# KiCad board Djinn.kicad_pcb (continued)
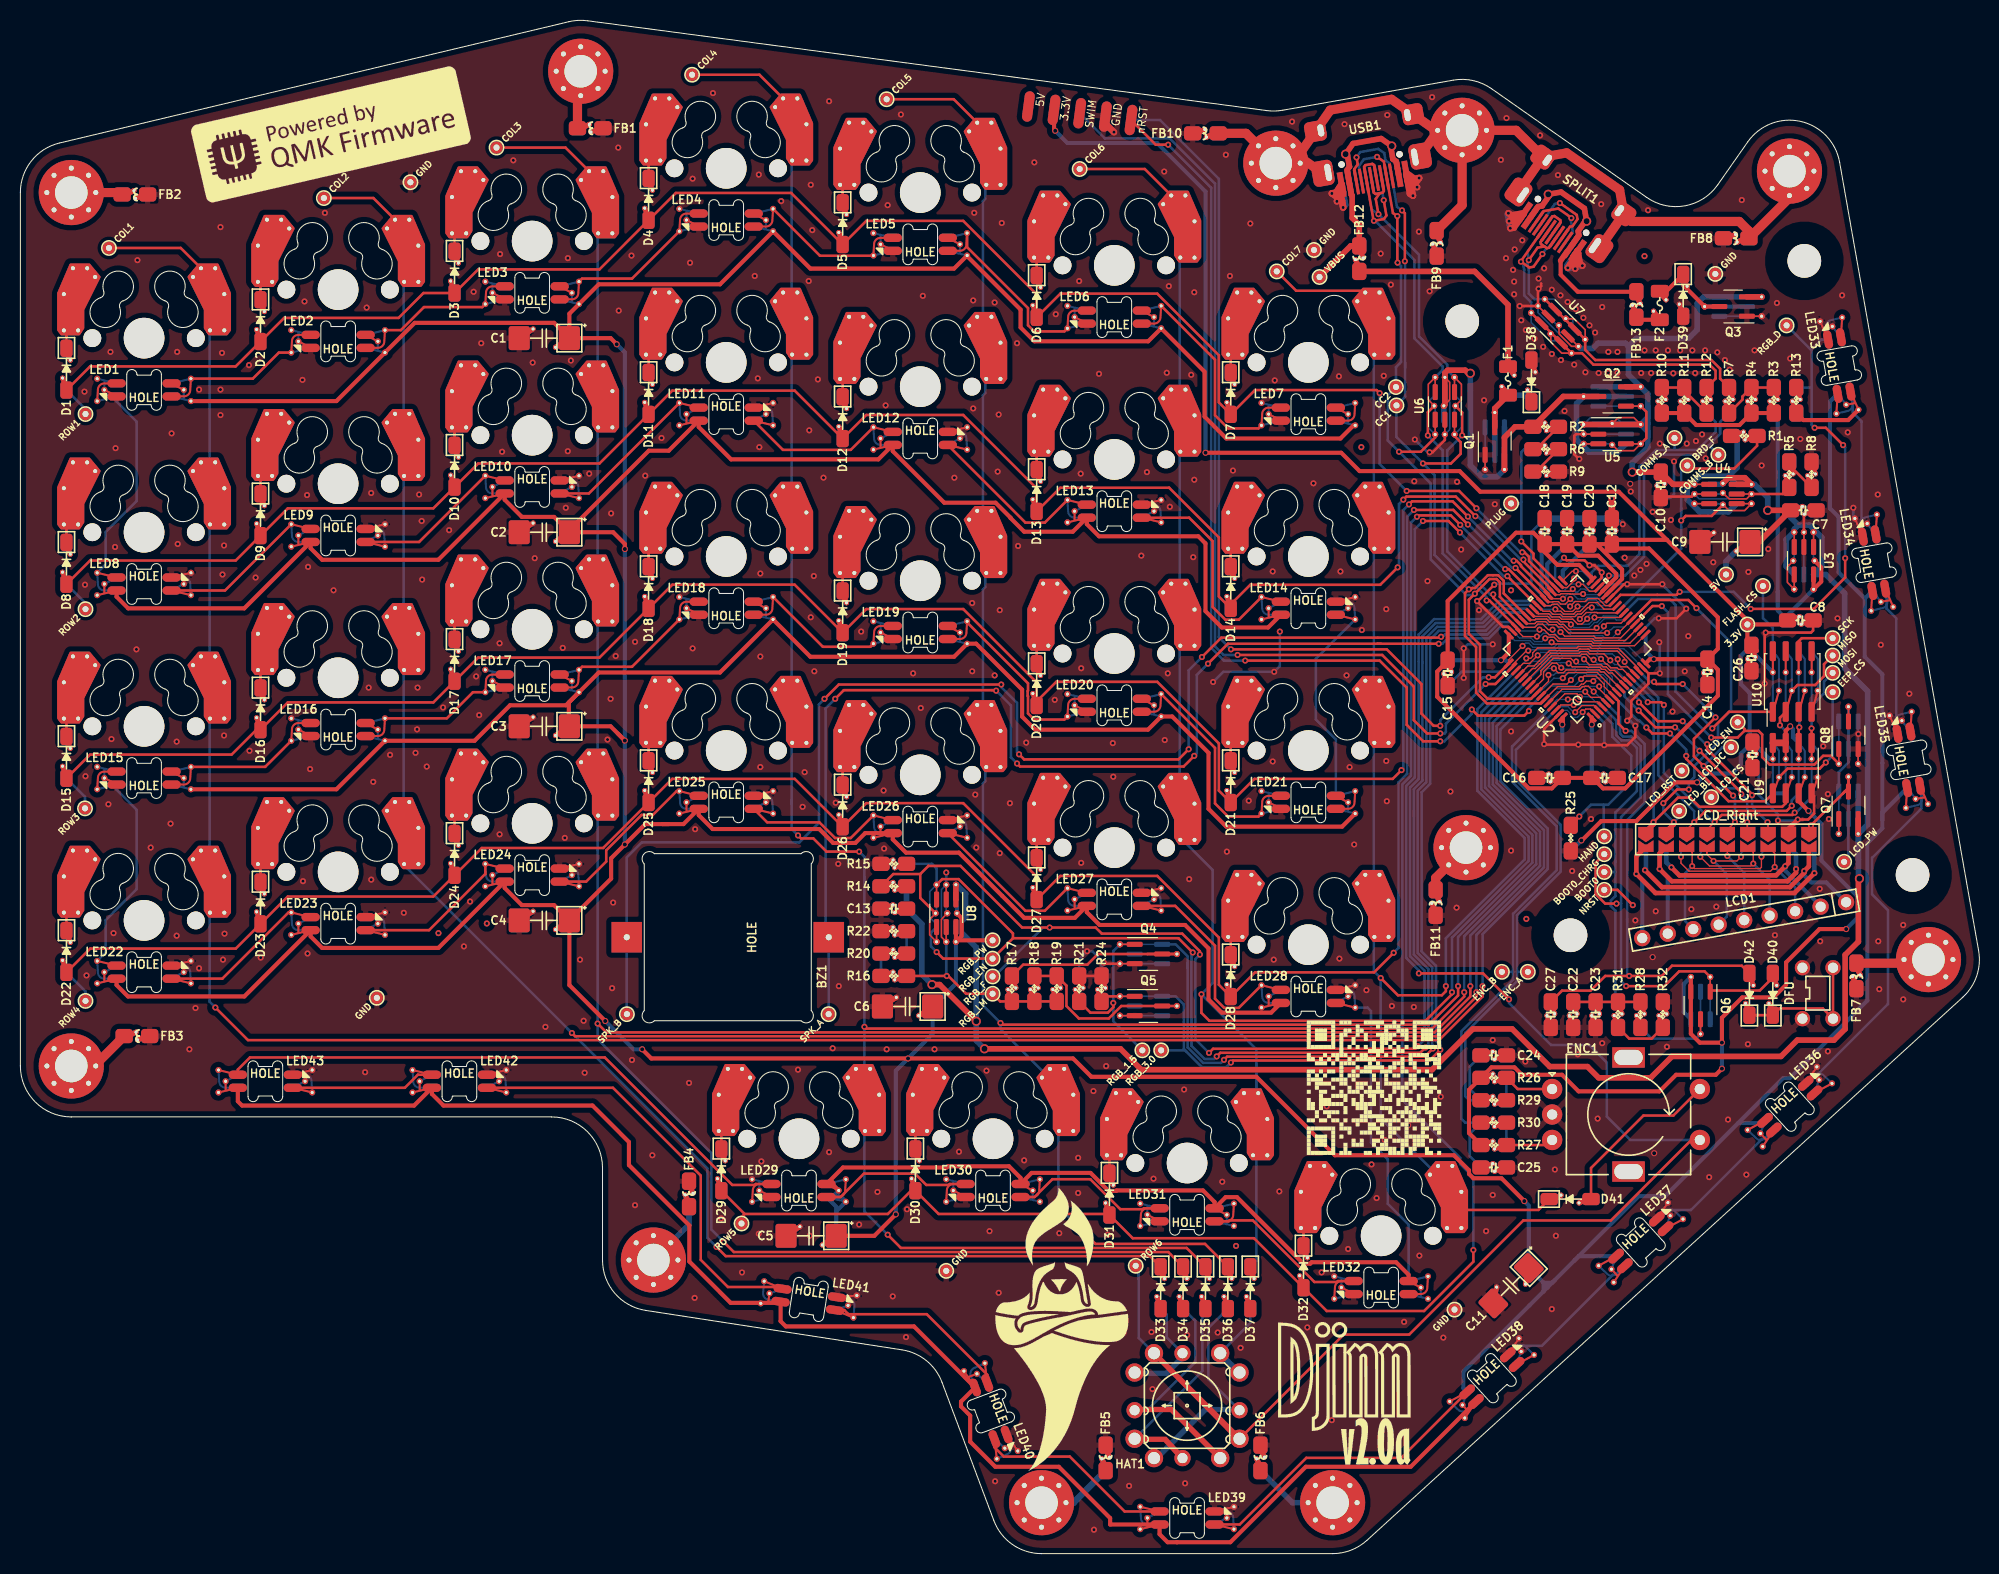
[diagram p0: board, top side]
## Routing (per net, layer and track width the routed paths; a pad name or vN(x,y) marks a point on that pad's centre or on a via; arc(x,y) is an arc through that point) (continued)
  Bottom w0.127: v1(152.53,95.71) 153.09,95.71 153.45,95.35 153.45,95.19 153.83,94.82 154.27,94.82 U1.34
  Bottom w0.25: 147.34,103.2 v1(147.34,99.35) ; 147.34,103.2 147.22,103.07 TP45.1 ; 147.34,103.2 147.34,108.1 147.64,108.4 148.49,108.4
ROT_A: length 7.1
  Top w0.25: ENC1.A 146.99,45.6 R26.2
  Bottom w0.25: R29.2 R26.2
ROT_B: length 6.9
  Top w0.25: R27.2 149.88,40.1 150.38,40.6
  Bottom w0.25: R27.2 R30.2
ROW1: length 192.5
  Top w0.127: v1(152.4,94.67) 152.19,94.47 151.05,94.47 U2.35
  Top w0.25: U2.35 148.11,97.41 148.11,97.83 147.65,98.28 v1(147.45,98.28) ; D1.2 6.84,116.52 21.13,116.52 D2.2 25.89,121.29 37.13,121.29 39.57,123.73 D3.2 44.94,126.05 56.85,126.05 D4.2 64.35,133.55 75.66,133.55 D5.2 83.04,130.81 92.56,130.81 99.77,123.59 D6.2 102.09,123.67 111.61,123.67 117.66,117.62 117.66,112.99 D7.2 121.2,114.2 133.14,114.2 v1(133.44,113.9) ; v1(142.94,102.6) 141.24,104.3 v1(136.09,104.3)
  Bottom w0.127: U1.35 154.61,94.46 153.97,94.46 153.86,94.57 153.72,94.57 153.61,94.68 153.18,94.68 152.87,94.37 152.7,94.37 v1(152.4,94.67)
  Bottom w0.25: v1(142.94,102.6) 147.26,98.28 v1(147.45,98.28) ; D1.2 6.39,112.33 TP23.1 ; v1(136.09,104.3) 133.44,106.95 v1(133.44,113.9)
ROW2: length 191.6
  Top w0.127: v1(153.41,94.19) 153.41,94.18 152.15,94.18 152.12,94.21 151.25,94.21 151.15,94.11 150.7,94.11 U2.36
  Top w0.25: D8.2 6.84,97.47 21.13,97.47 D9.2 26.25,102.59 40.54,102.59 44.94,107 56.85,107 63.99,114.14 76.02,114.14 D12.2 83.04,111.76 92.56,111.76 99.77,104.54 99.77,102.3 102.09,104.62 112.78,104.62 117.66,99.74 117.66,93.94 D14.2 ; D14.2 120.74,95.09 133.5,95.09 v1(135.21,96.8) ; v1(142.85,101.82) 140.92,103.75 136.07,103.75 v1(135.77,103.45) ; v1(147.56,97.56) 147.56,97.38 150.36,94.57 U2.36
  Bottom w0.127: v1(153.41,94.19) 153.48,94.11 154.98,94.11 U1.36
  Bottom w0.25: v1(135.77,103.45) 135.34,103.02 135.34,96.93 v1(135.21,96.8) ; v1(147.56,97.56) 147.3,97.56 143.04,101.82 v1(142.85,101.82) ; TP25.1 6.39,93.28 D8.2
ROW3: length 211.4
  Top w0.127: U2.37 150.01,93.88 150.18,93.72 v1(151.44,93.72)
  Top w0.25: v1(136.32,102.98) 136.62,103.28 140.61,103.28 v1(142.11,101.78) ; 23.57,80.86 26.25,83.54 40.54,83.54 D17.2 44.94,87.95 56.85,87.95 D18.2 64,95.1 76.01,95.1 D19.2 83.05,92.71 92.56,92.71 99.77,85.49 D20.2 ; v1(146.6,97.45) 146.89,97.45 147.32,97.02 147.32,96.92 150.01,94.23 U2.37 ; D15.2 6.84,78.42 20.73,78.42 23.57,81.26 ; v1(135.59,76.9) 134.73,76.04 121.14,76.04 D21.2 117.66,74.89 117.66,79.52 111.61,85.57 101.69,85.57 99.77,83.65
  Bottom w0.127: v1(151.44,93.72) 151.9,94.18 152.4,94.18 152.88,93.71 153.21,93.71 153.22,93.69 153.61,93.69 153.78,93.86 154.79,93.86 154.89,93.76 155.33,93.76 U1.37
  Bottom w0.25: TP27.1 6.34,74.28 D15.2 ; v1(146.6,97.45) 146.44,97.45 v1(142.11,101.78) ; v1(136.32,102.98) 135.76,102.42 135.76,77.07 v1(135.59,76.9)
ROW4: length 228.3
  Top w0.127: v1(152.16,93.69) 151.67,93.2 151.23,93.2 150.99,93.44 150.47,93.44 150.44,93.41 149.99,93.41 U2.38
  Top w0.25: U2.38 149.66,93.86 v1(146.78,96.74) ; 4.52,57.05 6.85,59.38 21.14,59.38 D23.2 26.25,64.49 40.54,64.49 D24.2 45.3,69.26 57.21,69.26 D25.2 63.99,76.04 76.02,76.04 D26.2 83.04,73.66 92.56,73.66 99.77,66.44 99.77,64.19 102.09,66.52 111.61,66.52 117.66,60.47 117.66,55.84 D28.2 121.21,57.05 132.9,57.05 v1(134.82,58.97) ; v1(136.81,102.44) 140.67,102.44 v1(142.1,101)
  Bottom w0.127: v1(152.16,93.69) 152.4,93.45 153.11,93.45 153.12,93.44 153.72,93.44 153.88,93.61 154.68,93.61 154.88,93.41 155.69,93.41 U1.38
  Bottom w0.25: v1(136.81,102.44) 136.14,101.77 136.14,76.55 135.29,75.7 135.29,59.45 v1(134.82,58.97) ; D22.2 6.39,55.18 TP29.1 ; v1(146.78,96.74) 146.44,96.74 142.18,101 v1(142.1,101)
ROW5: length 184.6
  Top w0.127: v1(152.87,92.96) 152.39,92.48 151.62,92.48 151.34,92.76 151.31,92.76 150.89,93.18 150.57,93.18 150.54,93.15 150.35,93.15 150.24,93.05 149.65,93.05 U2.39
  Top w0.25: 71.1,33.34 70.79,33.03 70.79,32.1 ; 71.1,33.34 85.16,33.34 87.45,35.62 D30.2 90.15,33.34 106.82,33.34 D31.2 109.2,30.95 121.11,30.95 D32.2 128.25,23.81 137.8,23.81 142.64,28.65 v1(142.64,29.8) ; 71.1,33.34 D29.2 ; U2.39 149.3,93.44 146.11,96.63 v1(145.77,96.63) ; v1(141.35,100.97) 140.42,101.9 137.23,101.9 v1(137.1,101.77)
  Bottom w0.127: v1(152.87,92.96) 153.6,92.96 153.99,93.35 154.58,93.35 154.89,93.04 156.03,93.04 U1.39
  Bottom w0.25: v1(141.35,100.97) 145.69,96.63 v1(145.77,96.63) ; v1(142.64,29.8) 142.64,36.95 141.34,38.25 141.34,38.85 135.67,44.52 135.67,75.5 136.52,76.35 136.52,101.19 v1(137.1,101.77)
ROW6: length 174.5
  Top w0.127: U2.40 149.49,92.5 150.15,92.5 150.46,92.19 151.18,92.19 151.41,91.97 152.61,91.97 152.86,92.22 153.22,92.22 153.86,92.86 v1(154.26,92.86)
  Top w0.25: v1(145.98,95.94) 148.89,93.03 U2.40 ; v1(141.32,100.22) 140.2,101.35 v1(137.69,101.35) ; v1(137.29,56.95) 143.59,56.95 v1(146.14,54.4) ; HAT1.4 129.91,21.5 136.34,21.5 147.54,32.7 156.14,32.7 164.04,40.6 ENC1.S1
  Bottom w0.127: v1(154.26,92.86) 154.43,92.7 156.39,92.7 U1.40
  Bottom w0.25: v1(137.29,56.95) 137.29,57.23 136.05,58.48 136.05,75.34 136.89,76.19 136.89,100.55 v1(137.69,101.35) ; 109.79,26.95 109.79,28 ; 109.79,26.95 109.79,21.17 HAT1.4 ; 109.79,26.95 109.79,27.95 TP32.1 ; v1(146.14,54.4) 146.14,54.05 150.27,49.92 154.02,49.92 155.74,48.2 155.74,42.9 158.04,40.6 ENC1.S1 ; v1(145.98,95.94) 145.61,95.94 v1(141.32,100.22)
SCK: length 52.9
  Top w0.127: U2.52 147.99,87.12 148.61,87.12 150.11,88.63 152.91,88.63 153.06,88.78 153.95,88.78 154.13,88.6 156.76,88.6 157.49,87.87 v1(157.49,87.53) ; 163.57,70.83 163.57,71.04 v1(164.32,71.79) 164.35,71.79 ; 163.58,71.28 J3.5
  Top w0.25: U9.6 174.58,81.04 v1(174.64,81.1) ; v1(164.32,71.79) 165.43,72.9 173.4,72.9 v1(173.9,73.4) ; TP2.1 174.88,89.85 174.58,89.55 U10.6
  Bottom w0.127: v1(157.49,87.53) 157.49,87.32 U1.52 ; 163.57,70.83 163.57,71.04 v1(164.32,71.79)
  Bottom w0.25: v1(173.9,73.4) 173.9,73.95 U9.6 ; U1.52 160.79,84.02 160.79,76.4 164.32,72.87 v1(164.32,71.79) ; U10.6 174.64,82.56 v1(174.64,81.1)
SHIELD: length 100.5
  Top w0.9: 123.24,136.47 125.19,136.82 USB1.S1 128.6,141.68 134.61,142.74 USB1.S1 139.47,139.33 141.54,139.7 ; 123.24,136.47 125.8,136.92 USB1.S1 ; 123.24,136.47 120.32,139.4 FB10.1 ; 141.54,139.7 138.86,139.23 USB1.S1 ; 141.54,139.7 141.54,132.34 FB9.1 ; 141.54,139.7 146.84,139.7 SPLIT1.S1 ; SPLIT1.S1 151.81,137.48 157,133.84 SPLIT1.S1 ; SPLIT1.S1 SPLIT1.S1 ; SPLIT1.S1 SPLIT1.S1 ; SPLIT1.S1 158.17,130.75 168.74,130.75 169.69,129.8 FB8.1 173.68,133.08 DRILL8.1
SK6812_EN: length 141.7
  Top w0.127: v1(153.09,91.73) 153.73,92.37 154.5,92.37 154.5,92.37 154.77,92.37 154.8,92.34 156.74,92.34 U2.24 157.1,92.68
  Top w0.25: 97.44,60.4 97.44,60.87 92.11,66.2 90.5,66.2 U8.3 ; 97.44,60.4 113.69,60.4 v1(115.09,59) ; 97.44,60.4 TP20.1 90.59,58.4 v1(89.95,59.04) ; v1(137.95,49.68) 137.42,49.15 117.8,49.15 v1(117.44,48.8)
  Bottom w0.127: U1.24 149.07,92.21 150.44,92.21 150.46,92.19 152.62,92.19 v1(153.09,91.73)
  Bottom w0.25: v1(115.09,59) 114.97,58.88 114.97,49.84 116.26,48.55 117.19,48.55 v1(117.44,48.8) ; U1.24 148.15,93.13 145.34,93.13 143.55,91.34 138.94,91.34 137.65,90.05 137.65,87.5 137.65,75.88 136.8,75.03 136.8,72.41 ; U8.3 89.94,67.25 89.49,67.7 R15.1 ; 136.8,72.41 136.8,58.79 138.22,57.37 138.22,49.96 v1(137.95,49.68) ; 136.8,72.41 136.8,72.9 ; v1(89.95,59.04) 89.39,59.6 89.39,60.95 U8.3
SK6812_MTRX_IN: length 58.6
  Top w0.25: LED29.4 72.19,36.28 72.1,36.19 69.88,36.19 57.37,48.7 22.54,48.7 21.35,47.51 LED43.2
SK6812_NFAULT: length 142.3
  Top w0.127: 156.39,92.7 155.48,92.7 154.83,93.35 153.99,93.35 153.11,92.47 152.74,92.47 152.49,92.22 151.51,92.22 151.23,92.5 150.88,92.5 v1(150.69,92.68)
  Top w0.25: 88.34,66.7 85.69,66.7 R14.2 ; 88.34,66.7 88.34,64.35 U8.4 ; 88.34,66.7 89.14,67.5 92.29,67.5 98.34,61.45 v1(101.04,61.45) 105.57,61.45 106.17,60.85 114.06,60.85 115.79,59.12 v1(115.79,58.8) ; v1(137.19,49.8) 136.94,49.55 117.09,49.55 v1(116.69,49.15)
  Bottom w0.127: v1(150.69,92.68) 149.3,92.68 U1.25
  Bottom w0.25: v1(116.69,49.15) 115.35,50.5 115.35,58.35 v1(115.79,58.8) ; v1(101.04,61.45) 100.39,61.45 95.64,56.7 ; v1(137.19,49.8) 137.85,50.45 137.85,57.21 136.42,58.64 136.42,75.19 137.27,76.03 137.27,87.55 137.27,90.2 138.79,91.72 143.4,91.72 145.18,93.5 148.48,93.5 U1.25
SK6812_PWM: length 64.7
  Top w0.127: U2.26 156.03,93.05 155.6,93.05 154.91,93.73 153.9,93.73 153.62,93.45 152.63,93.45 v1(152.15,92.97)
  Top w0.25: v1(162.89,94.4) 162.59,94.1 157.09,94.1 156.38,93.39 U2.26 ; v1(176.14,110.5) 177.24,110.5 v1(178.94,108.8) ; v1(179.14,97.7) 179.14,95.8 176.07,92.72 v1(169.87,92.72)
  Bottom w0.127: U1.26 149.71,92.98 150.18,92.98 150.4,93.19 151.92,93.19 v1(152.15,92.97)
  Bottom w0.25: 175.84,114.4 175.84,110.8 v1(176.14,110.5) ; 175.84,114.4 175.79,114.45 R13.2 ; 175.84,114.4 175.84,118.2 ; v1(178.94,108.8) 179.14,108.6 v1(179.14,97.7) ; 175.84,118.2 175.74,118.2 TP22.1 ; 175.84,118.2 176.8,119.15 LED33.4 ; v1(169.87,92.72) 168.19,94.4 v1(162.89,94.4)
SK6812_PWR: length 1176.8
  Top w0.4: 63.04,71.6 61.34,71.6 v2(59.34,69.6) 58,68.25 58,66.25 C4.1 ; 63.04,71.6 65.09,71.6 LED25.1 66.59,72.49 67.96,71.12 78.43,71.12 79.79,69.75 81.97,69.75 82.93,70.72 LED26.1 85.64,70.1 86.95,68.8 92.14,68.8 98.54,62.4 103.52,62.4 LED27.1 104.69,62.96 105.95,61.7 114.34,61.7 116.64,59.4 116.64,54.4 117.94,53.1 122.79,53.1 LED28.1 ; 63.04,71.6 63.65,71.6 ; C2.1 53.9,100.45 61.69,108.25 63.64,108.25 LED11.1 66.59,110.59 69.78,107.4 84.23,107.4 LED12.1 85.64,108.2 90.7,103.15 95.74,103.15 97.21,101.68 97.21,101.64 98.54,100.3 103.32,100.3 LED13.1 104.69,101.05 105.89,99.85 115.64,99.85 116.34,99.15 116.34,92.5 117.94,90.9 122.49,90.9 123.74,92.15 ; C2.1 52.4,101.75 49.23,101.75 47.54,103.44 47.54,104.05 41.03,97.54 29.63,97.54 28.49,98.68 LED9.1 21.98,92.78 10.58,92.78 9.44,93.92 LED8.1 ; C2.1 58.19,100.25 59.34,99.1 v2(59.34,98.6) ; TP18.1 91.99,60.2 U8.6 ; LED43.1 21.35,44.39 21.77,43.98 38.66,43.98 LED42.1 40.4,45.12 41.54,43.98 56.17,43.98 59.74,40.4 59.74,38.14 65.68,32.21 65.68,28.67 69.73,24.61 74.52,24.61 LED41.1 74.63,22.81 75.14,22.3 87.73,22.3 LED40.1 92.34,14.92 92.34,14.45 93.24,13.55 93.24,10.99 95.71,8.53 101.94,8.53 106.98,3.49 106.98,2.86 LED39.1 111.84,1.91 112.63,1.12 113.56,1.12 ; C4.1 52.4,63.65 49.23,63.65 47.54,65.34 LED24.1 41.04,59.45 29.62,59.45 28.49,60.58 LED23.1 21.99,54.69 10.56,54.69 9.44,55.81 LED22.1 ; C4.1 53.9,55.8 v2(57.42,52.27) ; v2(85.94,33.3) 83.84,31.19 C5.1 ; U8.6 92.39,60.6 92.39,62.4 U8.6 ; U8.6 U8.6 ; 113.56,1.12 118.78,1.12 126.19,8.53 136.5,8.53 LED38.1 ; 113.56,1.12 113.54,1.14 ; v2(58.54,118.7) 57.94,119.3 C1.1 ; C1.1 53.9,121.7 LED3.1 56.78,124.58 68.69,124.58 73.89,129.79 77.56,126.12 91.66,126.12 LED5.1 92.94,127.35 98.19,122.1 98.19,120.35 99.56,118.99 110.72,118.99 LED6.1 116.26,116 116.26,111.59 118.39,109.45 129.59,109.45 130.88,110.74 131.04,110.74 ; C1.1 52.4,120.8 38.71,120.8 LED2.1 31.03,113.12 LED1.1 ; 58.64,80.5 v2(59.34,79.8) 57.94,81.2 C3.1 53.84,81.25 53.84,83.54 54.84,84.55 ; 54.84,84.55 53.56,83.26 48.07,83.26 44.59,79.78 LED16.1 31.03,75.02 LED15.1 ; 54.84,84.55 56.78,86.48 68.69,86.48 LED18.1 77.56,88.02 91.66,88.02 LED19.1 93.84,89.31 98.34,84.8 98.34,82.15 99.62,80.87 110.7,80.87 LED20.1 113.08,82.16 116.64,78.6 116.64,73.1 118.39,71.36 129.76,71.36 LED21.1 ; v2(147.64,34.6) 145.4,36.84 142.64,36.84 142.22,37.27 142.22,37.62 140.74,39.1 129.04,39.1 121.34,46.8 105.14,46.8 103.34,48.6 v2(87.14,48.6) 61.94,48.6 v2(61.04,49.5) ; LED33.1 179.44,111.26 175.03,111.26 174.34,111.95 ; LED29.1 79.7,36.28 LED29.1 80.76,37.9 90.94,37.9 91.06,38.02 97.06,38.02 98.19,36.88 LED30.1 99.27,37.37 105.06,37.37 106.83,35.6 107.58,35.6 107.62,35.65 116.1,35.65 117.24,34.51 LED31.1 118.32,34.98 119.44,34.98 125.96,28.46 126.63,28.46 126.77,28.6 135.06,28.6 136.29,27.37 LED32.1
  Bottom w0.4: 79.14,35 79.7,35 LED29.1 ; 79.14,35 80.58,35 81.04,34.54 80.09,33.59 80.09,33.45 ; 79.14,35 80.09,34.05 80.09,33.45 ; v2(57.42,52.27) 60.19,49.5 v2(61.04,49.5) ; LED36.1 171.01,42.26 168.64,42.26 ; 149.52,25.72 141.67,17.87 141.67,16.24 LED38.1 ; 149.52,25.72 149.92,26.12 ; 149.52,25.72 149.54,25.74 149.54,26.59 ; 149.54,26.59 150.39,26.59 150.62,26.82 ; 149.54,26.59 149.92,26.21 149.92,26.12 ; 149.54,26.59 C11.1 148.09,34.16 v2(147.64,34.6) ; 185.07,75.3 LED35.1 182.79,72.71 182.79,72 ; 150.62,26.82 149.92,26.12 ; 150.62,26.82 152.57,28.77 ; 182.79,72 182.79,78.72 ; 182.79,72 182.79,71.2 181.32,69.73 181.32,54.28 173.71,46.67 173.05,46.67 168.64,42.26 ; 168.64,42.26 161.47,35.08 158.88,35.08 152.57,28.77 ; 80.09,33.45 C5.1 ; 152.57,28.77 152.99,29.2 LED37.1 ; 182.79,78.72 182.79,86.3 181.06,88.03 181.06,93.74 ; 182.79,78.72 182.79,79.4 ; U8.6 91.84,55.95 89.59,53.7 C6.1 89.56,51.01 v2(87.14,48.6) 85.94,47.4 v2(85.94,33.3) ; v2(59.34,69.6) v2(59.34,79.8) v2(59.34,98.6) 59.34,117.9 v2(58.54,118.7) ; 181.06,93.74 178.49,96.31 178.49,101.75 177.65,102.59 177.65,113.09 LED33.1 ; 181.06,93.74 LED34.1 ; U8.6 91.94,64.1 U8.6
SPLIT_COMMS+: length 36.1
  Top w0.127: U2.33 152.33,96.42 v1(152.71,96.42)
  Top w0.25: R11.2 R10.2 ; R12.1 163.44,114.05 R11.2
  Bottom w0.127: v1(152.71,96.42) 153.35,96.42 U1.33
  Bottom w0.25: 165.03,108.71 166.42,110.09 166.42,111.07 R12.1 ; 165.03,108.71 165.12,108.79 ; 165.03,108.71 164.65,108.33 162.44,108.33 ; TP14.1 162.39,108.38 162.44,108.33 ; 162.44,108.33 160.57,108.33 158.94,106.7 158.94,98.1 157.8,96.95 157.66,96.95 157.66,96.95 157.13,96.95 157.12,96.95 154.9,96.95 154.25,96.31 U1.33
SPLIT_COMMS-: length 38.7
  Top w0.127: U2.30 154.62,94.46 154.06,94.46 153.39,95.13 v1(152.96,95.13)
  Top w0.25: R7.1 169.06,113.27 169.06,113.57 169.94,114.45 172.14,114.45 ; v1(155.95,95.99) 155.95,95.79 U2.30
  Bottom w0.127: v1(152.96,95.13) 152.93,95.17 152.2,95.17 151.5,94.47 151.05,94.47 U1.30
  Bottom w0.25: R7.1 166.87,111.07 166.87,110.58 ; v1(155.95,95.99) 157.54,95.99 159.39,97.85 159.39,106.5 160.77,107.88 164.84,107.88 165.35,108.39 ; 166.87,110.01 166.87,110.58 ; 166.87,110.58 166.87,109.91 165.7,108.74 ; 165.35,108.39 165.57,108.61 ; 165.35,108.39 165.7,108.74 ; 165.7,108.74 165.8,108.74 TP16.1
SPLIT_HAND_PIN: length 25.6
  Top w0.127: v1(152.49,83.29) 151.23,83.29 U2.62
  Top w0.25: 152.28,71.59 v1(153.04,72.35) ; R25.2 152.21,71.11
  Bottom w0.127: v1(152.49,83.29) 154.45,83.29 U1.62 154.96,82.72
  Bottom w0.25: TP43.1 155.44,70.45 155.44,73.5 ; 155.44,73.5 155.87,73.5 158.14,75.78 158.14,78.32 156.29,80.17 156.29,81.45 U1.62 ; 155.44,73.5 154.19,73.5 v1(153.04,72.35) 152.28,71.59 ; R25.2 152.21,71.11
SWCLK: length 114
  Top w0.127: U2.50 146.48,87.24 147.86,88.62 v1(148.03,88.62)
  Top w0.25: v1(139.39,80.5) 138.1,80.5 136.79,81.8 136.79,85.1 133.69,88.2 v1(119.49,88.2) ; U2.50 144.8,85.35 v1(143.84,85.35)
  Bottom w0.127: U1.50 157.41,88.82 155.16,88.82 154.92,89.07 151.03,89.07 150.67,88.71 148.11,88.71 v1(148.03,88.62)
  Bottom w0.25: v1(139.39,80.5) 139.82,80.5 139.95,80.63 139.95,81.45 v1(143.84,85.35) ; v1(119.49,88.2) 118.12,88.2 117.28,89.05 117.28,134.46 112.84,138.9 106.47,138.9 J1.6
SWDIO: length 108.2
  Top w0.127: U2.49 146.12,87.74 v1(147.47,89.09)
  Top w0.25: v1(144.15,86.01) 144.75,86.01 U2.49 ; v1(139.39,81.25) 138.74,81.25 137.54,82.45 137.54,85.35 134.14,88.75 v1(118.84,88.75)
  Bottom w0.127: U1.49 157.86,89.07 155.27,89.07 155.02,89.32 150.92,89.32 150.56,88.96 148.49,88.96 148.08,89.36 147.74,89.36 v1(147.47,89.09)
  Bottom w0.25: J1.2 111.88,140.71 117.66,134.94 117.66,89.94 v1(118.84,88.75) ; v1(144.15,86.01) 143.59,86.01 139.39,81.82 v1(139.39,81.25)
V_USB: length 29.1
  Top w0.55: USB1.A4 135.07,136.64 134.74,136.88 134.54,138.02 v3(134.63,138.16) 133.59,138.89 130.83,138.4 v3(130.1,137.36) 130.29,137.23 130.48,136.12 130.25,135.79 USB1.A4 ; 130.49,134.43 130.68,133.32 130.74,133.26 130.74,131.1 131.44,130.4 FB12.2 130.59,128.35 TP1.1
  Bottom w0.55: v3(130.1,137.36) 130.29,137.23 130.48,136.12 130.25,135.79 USB1.A4 ; v3(134.63,138.16) 134.54,138.02 134.74,136.88 135.07,136.64 USB1.A4
Net-(D1-Pad1): length 6.9
  Top w0.25: D1.1 4.52,123.25 SW1.1
Net-(D2-Pad1): length 6.5
  Top w0.25: SW2.1 23.57,128.01 D2.1
Net-(D3-Pad1): length 6.5
  Top w0.25: D3.1 42.62,132.77 SW3.1
Net-(D4-Pad1): length 6.5
  Top w0.25: D4.1 61.67,139.92 SW4.1
Net-(D5-Pad1): length 6.5
  Top w0.25: SW5.1 80.72,137.53 80.72,132.59
Net-(D6-Pad1): length 6.5
  Top w0.25: SW6.1 99.77,130.39 D6.1
Net-(D7-Pad1): length 6.5
  Top w0.25: SW7.1 118.82,120.87 D7.1
Net-(D8-Pad1): length 6.5
  Top w0.25: D8.1 4.52,104.2 SW8.1
Net-(D9-Pad1): length 6.5
  Top w0.25: SW9.1 23.57,108.96 23.57,104.01
Net-(D10-Pad1): length 6.5
  Top w0.25: D10.1 42.62,113.72 SW10.1
Net-(D11-Pad1): length 6.5
  Top w0.25: SW11.1 61.67,120.87 D11.1
Net-(D12-Pad1): length 6.5
  Top w0.25: SW12.1 80.72,118.48 D12.1
Net-(D13-Pad1): length 6.6
  Top w0.25: D13.1 99.77,111.24 SW13.1
Net-(D14-Pad1): length 6.5
  Top w0.25: D14.1 118.82,101.82 SW14.1
Net-(D15-Pad1): length 6.5
  Top w0.25: SW15.1 4.52,85.15 D15.1
Net-(D16-Pad1): length 6.5
  Top w0.25: SW16.1 23.57,89.91 D16.1
Net-(D17-Pad1): length 6.5
  Top w0.25: D17.1 42.62,94.67 SW17.1
Net-(D18-Pad1): length 6.5
  Top w0.25: SW18.1 61.67,101.82 D18.1
Net-(D19-Pad1): length 6.5
  Top w0.25: SW19.1 80.72,99.43 D19.1
Net-(D20-Pad1): length 6.5
  Top w0.25: SW20.1 99.77,92.29 D20.1
Net-(D21-Pad1): length 6.5
  Top w0.25: D21.1 118.82,82.77 SW21.1
Net-(D22-Pad1): length 6.5
  Top w0.25: D22.1 4.52,66.1 SW22.1
Net-(D23-Pad1): length 6.6
  Top w0.25: SW23.1 23.57,70.76 D23.1
Net-(D24-Pad1): length 6.5
  Top w0.25: SW24.1 42.62,75.62 D24.1
Net-(D25-Pad1): length 6.5
  Top w0.25: SW25.1 61.67,82.77 D25.1
Net-(D26-Pad1): length 6.5
  Top w0.25: SW26.1 80.72,80.38 D26.1
Net-(D27-Pad1): length 6.5
  Top w0.25: SW27.1 99.77,73.24 D27.1
Net-(D28-Pad1): length 6.5
  Top w0.25: D28.1 118.82,63.72 SW28.1
Net-(D29-Pad1): length 6.5
  Top w0.25: SW29.1 68.82,44.67 D29.1
Net-(D30-Pad1): length 6.5
  Top w0.25: D30.1 87.87,44.67 SW30.1
Net-(D31-Pad1): length 6.5
  Top w0.25: D31.1 106.92,42.28 SW31.1
Net-(D32-Pad1): length 6.5
  Top w0.25: SW32.1 125.97,35.14 D32.1
Net-(D33-Pad2): length 5.3
  Bottom w0.25: HAT1.1 112.54,21.22 112.54,23.45 D33.2
Net-(D34-Pad2): length 13.7
  Bottom w0.25: HAT1.2 110.62,14.08 115.34,18.8 115.34,22.85 D34.2
Net-(D35-Pad2): length 15.7
  Bottom w0.25: D35.2 116.04,23.75 116.04,17.93 HAT1.3
Net-(D36-Pad2): length 12
  Bottom w0.25: D36.2 116.64,22.14 116.64,17.13 119.69,14.08
Net-(D37-Pad2): length 5.6
  Bottom w0.25: D37.2 120.74,22.63 HAT1.6
Net-(D40-Pad1): length 13.9
  Top w0.25: RESET1.2 RESET1.2 176.95,53.51 172.7,53.51 172.04,52.85 169.74,52.85
Net-(D41-Pad2): length 16.9
  Top w0.25: ENC1.S2 162.28,43 159.34,43 154.19,37.85 D41.2
Net-(LED1-Pad2): length 10.9
  Top w0.25: LED2.4 25.38,117.88 22.81,115.32 LED1.2
Net-(LED1-Pad4): length 19.7
  Bottom w0.25: LED8.2 8.36,97.09 8.36,100.26 11.41,103.3 11.41,111.11 9.44,113.07 LED1.4
Net-(LED2-Pad2): length 10.9
  Top w0.25: LED2.2 37.35,120.08 39.62,122.35 45.34,122.35 45.64,122.65
Net-(LED3-Pad2): length 11.9
  Top w0.25: 64.69,129.79 60.05,125.14 55.14,125.14 LED3.2
Net-(LED4-Pad2): length 11.8
  Top w0.25: 73.89,131.99 78.5,127.39 83.72,127.39 LED5.4
Net-(LED5-Pad2): length 15.8
  Top w0.25: LED6.4 102.49,119.96 99.52,119.96 98.92,120.57 98.92,122.25 92.94,128.22 LED5.2
Net-(LED6-Pad2): length 18.1
  Top w0.25: LED7.4 121.54,110.44 118.57,110.44 117.28,111.73 117.28,117.18 LED6.2
Net-(LED8-Pad4): length 14.4
  Top w0.25: LED9.2 20.09,94.53 LED8.4
Net-(LED10-Pad2): length 14.4
  Top w0.25: LED9.4 39.14,99.29 LED10.2
Net-(LED10-Pad4): length 15.4
  Top w0.25: 52.94,104.05 55.81,104.05 LED11.2
Net-(LED11-Pad4): length 13.9
  Top w0.25: LED11.4 74.86,108.34 81.52,108.34 LED12.2
Net-(LED12-Pad4): length 15.8
  Top w0.25: LED12.4 98.67,101.19 100.57,101.19 LED13.2
Net-(LED13-Pad4): length 20.6
  Top w0.25: LED13.4 114.74,101.67 117.04,99.37 117.04,92.92 118.3,91.67 119.62,91.67 121.84,93.89
Net-(LED14-Pad4): length 19.7
  Bottom w0.25: LED14.4 127.18,87.83 127.18,81.88 129.14,79.91 LED21.2
Net-(LED15-Pad2): length 10.9
  Top w0.25: LED16.4 24.03,77.22 LED15.2
Net-(LED15-Pad4): length 19.7
  Bottom w0.25: LED15.4 9.44,74.97 11.41,73.01 11.41,65.21 8.36,62.17 8.36,58.99 LED22.2
Net-(LED16-Pad2): length 10.9
  Top w0.25: 35.79,81.98 41.86,81.98 44.43,84.55 45.64,84.55
Net-(LED17-Pad2): length 11.9
  Top w0.25: LED18.4 60.05,87.04 55.14,87.04 54.84,86.75
Net-(LED18-Pad2): length 12
  Top w0.25: 73.89,93.89 78.77,89.01 83.44,89.01 LED19.4
Net-(LED19-Pad2): length 15.8
  Top w0.25: LED20.4 102.49,81.86 99.52,81.86 98.92,82.47 98.92,84.15 98.89,84.19 98.89,84.67 98.92,84.7 98.92,85.42 92.94,91.4 LED19.2
Net-(LED20-Pad2): length 18.1
  Top w0.25: LED20.2 117.28,79.08 117.28,73.63 118.57,72.34 121.54,72.34 LED21.4
Net-(LED22-Pad4): length 14.4
  Top w0.25: LED23.2 26.32,62.93 19.82,56.43 LED22.4
Net-(LED23-Pad4): length 15
  Top w0.25: LED23.4 40.12,61.19 45.64,66.71 LED24.2
Net-(LED24-Pad4): length 16.1
  Top w0.25: 52.94,65.95 55.54,65.95 57.51,67.93 57.51,69.03 60.99,72.5 62.08,72.5 64.42,74.84 LED25.2
Net-(LED25-Pad4): length 13.9
  Top w0.25: LED25.4 73.32,71.77 78.44,71.77 79.98,70.24 81.52,70.24 LED26.2
Net-(LED26-Pad4): length 15.8
  Top w0.25: LED26.4 98.67,63.09 100.57,63.09 LED27.2
Net-(LED27-Pad4): length 19.9
  Top w0.25: LED28.2 119.62,53.57 118.18,53.57 117.28,54.46 117.28,59.66 113.37,63.57 LED27.4
Net-(LED28-Pad4): length 29.7
  Bottom w0.25: LED28.4 132.26,53.59 132.59,53.26 132.59,40.35 134.24,38.7 134.24,34.33 136.29,32.29 LED32.2
Net-(LED29-Pad2): length 15.1
  Top w0.25: LED29.2 80.51,35 82.82,37.3 87.82,37.3 88.93,36.19 91.15,36.19 91.24,36.28 LED30.4
Net-(LED30-Pad2): length 15.6
  Top w0.25: 98.19,35 99.56,35 101.32,36.75 105.03,36.75 107.98,33.8 110.2,33.8 110.29,33.9 111.84,33.9
Net-(LED31-Pad2): length 16.2
  Top w0.25: LED32.4 129.34,26.75 129.25,26.66 127.03,26.66 120.98,32.71 118.71,32.71 118.61,32.62 117.24,32.62
Net-(LED33-Pad2): length 14.8
  Bottom w0.25: LED34.4 180.75,99.94 180.75,111.15 179.89,112 179.89,113.83 LED33.2
Net-(LED34-Pad2): length 14.8
  Bottom w0.25: LED34.2 183.2,94.58 183.2,92.76 184.16,91.8 184.16,80.59 LED35.4
Net-(LED35-Pad2): length 35.4
  Bottom w0.25: LED36.4 176.16,47.05 176.45,47.05 183.34,53.94 183.34,63.15 181.79,64.7 181.79,68.29 186.62,73.12 186.62,75.24 LED35.2
Net-(LED36-Pad2): length 15.1
  Bottom w0.25: LED37.4 161.54,33.72 164,33.72 170.96,40.69 171.26,40.69 LED36.2
Net-(LED37-Pad2): length 15.1
  Bottom w0.25: LED37.2 156.63,27.37 156.34,27.37 149.37,20.4 146.91,20.4 LED38.4
Net-(LED38-Pad2): length 30.2
  Top w0.25: LED39.4 119.7,2.86 126.24,9.4 135.56,9.4 LED38.2
Net-(LED39-Pad2): length 19.6
  Top w0.25: LED40.4 95.62,10.44 96.54,9.53 103.02,9.53 108.4,4.14 LED39.2
Net-(LED40-Pad2): length 18.4
  Top w0.25: LED41.4 80.89,23.91 81.29,23.5 88.98,23.5 94.92,17.55 LED40.2
Net-(LED41-Pad2): length 42
  Top w0.25: LED42.4 58.17,45.72 66.79,37.1 66.79,28.84 69.46,26.17 74.65,26.17 LED41.2
Net-(LED42-Pad2): length 14.2
  Top w0.25: LED42.2 39.02,47 37.74,45.72 LED43.4
Net-(Q2-Pad1): length 4.2
  Top w0.25: Q2.1 159.62,112.07 159.62,109.48 U5.4
Net-(Q4-Pad3): length 19.9
  Top w0.25: 110.64,58.85 105.79,58.85 104.74,57.8 98.45,57.8 R17.2 ; 110.64,58.85 113.49,58.85 ; 110.64,58.85 Q4.3
Net-(Q5-Pad3): length 17.4
  Top w0.25: Q5.3 108.08,53.75 106.85,52.52 103.92,52.52 102.7,53.75 102.7,55.75 R19.2 R18.2
Net-(Q6-Pad3): length 6.5
  Bottom w0.25: Q6.3 164.49,50.55 160.15,50.55 R28.1
Net-(Q7-Pad1): length 8.7
  Bottom w0.25: 179.47,83.12 179.47,77.66 178.52,76.71 Q7.1
Net-(R5-Pad1): length 4
  Top w0.25: R5.1 173,104 U4.5
Net-(R5-Pad2): length 3.4
  Top w0.25: R8.1 173.65,106.84 173.65,107.15
Net-(R6-Pad2): length 3.4
  Top w0.25: R9.1 148.79,106.2 R6.2
Net-(R16-Pad2): length 2.2
  Bottom w0.25: R20.2 84.49,56.7
Net-(R20-Pad1): length 2.2
  Bottom w0.25: R22.1 R20.1
Net-(R31-Pad1): length 5.3
  Top w0.25: R31.1 157.95,50.55 160.14,50.55 R32.1
Net-(SPLIT1-PadA5): length 8.1
  Top w0.25: SPLIT1.A5 152.13,130.23 152.37,130.28 152.87,130.98 152.79,131.39 v1(151.13,132.56)
  Bottom w0.25: SPLIT1.A5 150.64,132.47 v1(151.13,132.56)
Net-(SPLIT1-PadB5): length 7
  Top w0.25: SPLIT1.B5 149.54,131.77 150.98,132.02 152.25,131.12 v1(152.26,131.08)
  Bottom w0.25: v1(152.26,131.08) 152.19,130.98 152.41,129.76 SPLIT1.B5
Net-(U1-Pad2): length 4.6
  Top w0.127: v1(153.37,82.59) 153.67,82.89 154.14,82.89 U2.2
  Bottom w0.127: U1.2 151.41,82.76 151.87,82.76 152.15,82.48 152.15,82.35 152.41,82.09 152.87,82.09 v1(153.37,82.59)
Net-(U1-Pad5): length 6.7
  Top w0.127: v1(153.62,84.6) 154.18,84.05 155.11,84.05 U2.5
  Bottom w0.127: U1.5 150.01,83.7 150.91,84.6 v1(153.62,84.6)
Net-(U1-Pad6): length 7.6
  Top w0.127: U2.6 154.99,84.87 v1(154.99,85.11)
  Bottom w0.127: U1.6 150.71,84.89 153.05,84.89 153.27,85.11 v1(154.99,85.11)
Net-(U1-Pad17): length 14.5
  Top w0.127: U2.17 158.46,89.11 154.34,89.11 154.16,89.29 150.49,89.29 v1(150.33,89.45)
  Bottom w0.127: U1.17 146.71,89.62 148.19,89.62 148.54,89.26 150.14,89.26 v1(150.33,89.45)

## Copper pours and planes (outline as drawn; the poured copper is in the pictures)
GND on Top: 193.94,-3.1 -4.16,-3.1 -4.16,153 193.94,153
